# Altium PCB PCB2.PcbDoc (continued)
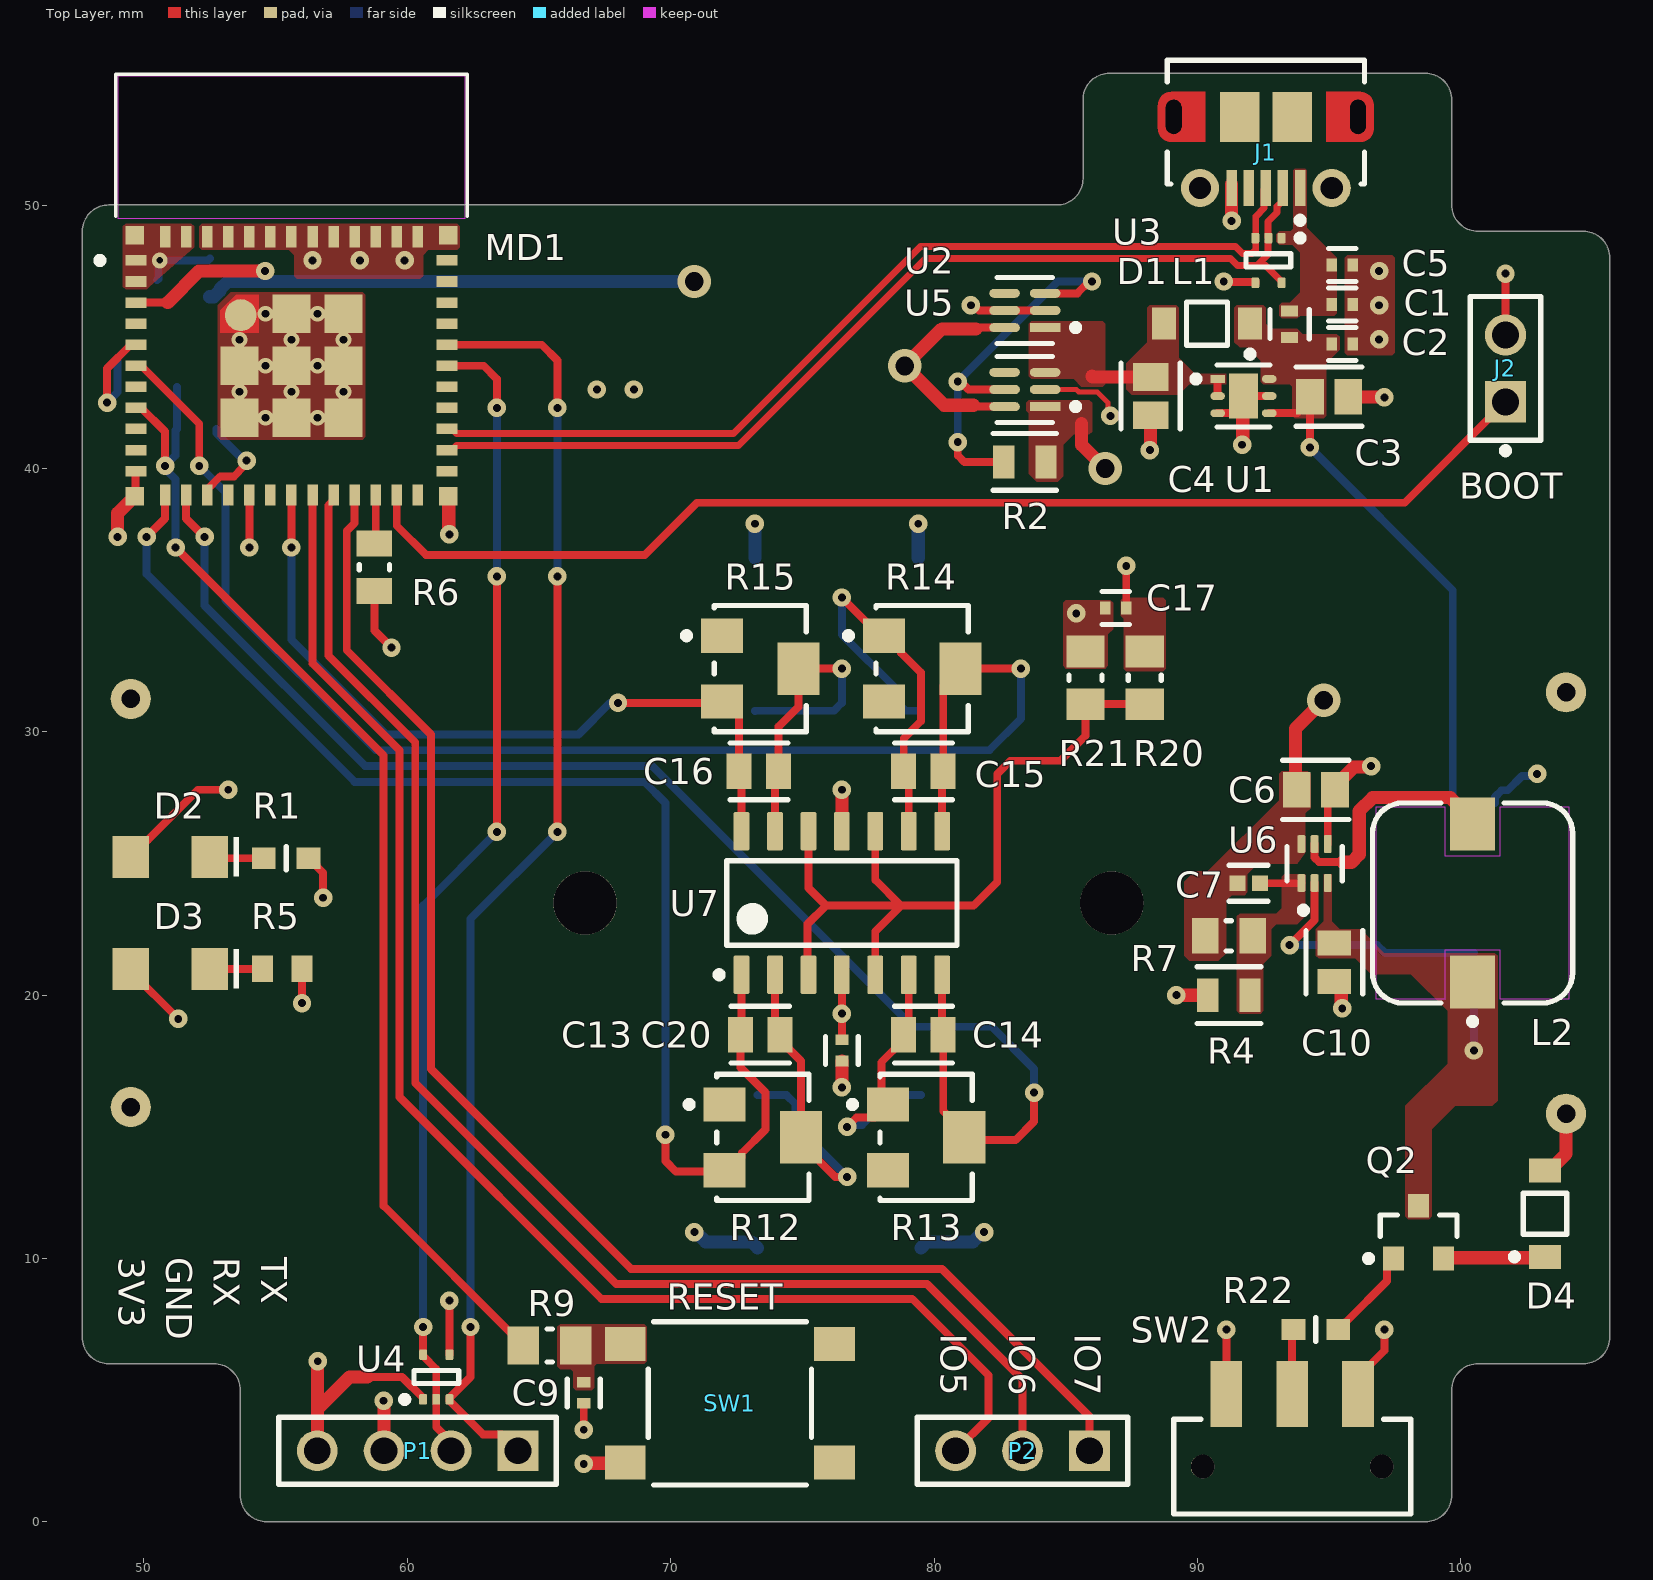
[diagram p0: Top Layer view]
## Part data (continued)
R1 R22: library part CMP-1659-00039-2, Case Code (Imperial)=0603, Case Code (Metric)=1608, Max Operating Temperature=155°C, Max Power Dissipation=100mW, Min Operating Temperature=-55°C, Resistance=47Ω, Temperature Coefficient=100ppm/°C, Tolerance=1%, Voltage Rating=75V, Voltage Rating (AC)=50V, Case/Package=0603, Composition="Thick Film", Depth=800µm, Features="Moisture Resistant", Height=450µm, Lead Free="Lead Free", Length=1.6mm, Military Standard=Not, Mount="Surface Mount", NexarPartId=40952917, Number of Pins=2, Number of Terminations=2, Packaging="Tape & Reel", Power Rating=100mW, REACH SVHC="No SVHC", RoHS=Compliant, Schedule B="8533210045, 8533210045", Termination=SMD/SMT, Voltage Rating (DC)=50V, Weight=2.012816mg, Width=800µm
R2 R3 R4 R8: library part CMP-2100-03668-5, "RES 100K OHM 1% 1/8W 0805", Case Code (Imperial)=0805, Case Code (Metric)=2012, Max Operating Temperature=155°C, Max Power Dissipation=125mW, Min Operating Temperature=-55°C, Package Quantity=1, Resistance=100kR, Resistance Tolerance=1%, Resistor Type="Thick Film", Temperature Coefficient=100ppm/°C, Voltage Rating=150V, Case/Package=0805, Construction=Rectangular, Depth=1.25mm, Features="Moisture Resistant", Height=0.024inch, Lead Free="Lead Free", Lead Pitch=0.4mm, Length=0.079inch, Military Standard=Not, Number of Pins=2, Number of Terminations=2, Packaging="Tape and Reel", Power Rating=125mW, RoHS Compliant=Yes, Series=RC, Size Code=0805, Technology="THICK FILM", Termination=SMD/SMT, Tolerance=1%, Voltage Rating (DC)=150V, Width=0.049inch
R5: library part CMP-1659-00057-1, "Chip Resistor, 150 Ohm, +/- 1%, 0.1 W, -55 to 155 degC, 0603 (1608 Metric), RoHS, Tape and Reel", Case\Package=Radial, Colour=Green, Forward Voltage="2.2 V", Package Quantity=1000, ComponentLink1Description="Manufacturer URL", ComponentLink1URL=http://www.yageo.com/, ComponentLink2Description=Datasheet, ComponentLink2URL=http://www.yageo.com/documents/recent/PYu-RC_Group_51_RoHS_L_04.pdf, DatasheetVersion="Rev. 4, 02/2016", Height="8.6 mm", Illumination Colour=Green, Lens Style=Clear, Luminous Intensity="200 mcd", Mount="Through Hole", Nominal Vf="2.2 V", PackageDescription="2-Pin Surface Mount Device, Body 1.6 x 0.8 mm", PackageReference=0603, Packaging=Bulk, RoHSCompliant=true, Viewing Angle="20 degrees"
R6 R10 R11: library part CMP-1659-00013-4, "Chip Resistor, 10 KOhm, +/- 1%, 0.125 W, -55 to 155 degC, 0805 (2012 Metric), RoHS, Tape and Reel", Manufacturer=Yageo, Max Operating Temperature="155 degC", Min Operating Temperature="-55 degC", Package Quantity=5000, Voltage Rating="150 V", ComponentLink1Description="Manufacturer URL", ComponentLink1URL=http://www.yageo.com/, ComponentLink2Description=Datasheet, ComponentLink2URL=http://www.yageo.com/documents/recent/PYu-RC_Group_51_RoHS_L_04.pdf, DatasheetVersion="Rev. 4, 02/2016", Height="0.5 mm", Length="2 mm", Mount="Surface Mount", Mounting Technology="Surface Mount", PackageDescription="2-Pin Surface Mounted Device, Body 2 x 1.25 mm", PackageReference=0805, Packaging="Tape and Reel", Pins=2, REACH SVHC="No SVHC", RoHSCompliant=true
R7: library part CMP-2001-01154-1, Manufacturer=Yageo, Part Number=RC0805FR-07453KL
R9: library part CMP-2100-03673-1, "Chip Resistor, 0 Ohm, Jumper, +/- 5%, 0.125 W, -55 to 155 degC, 0805 (2012 Metric), RoHS, Tape and Reel", Case Code (Imperial)=0805, Case Code (Metric)=2012, Manufacturer=Yageo, Max Operating Temperature=155degC, Min Operating Temperature=-55degC, Package Description="2-Pin Surface Mounted Device, Body 2 x 1.25 mm", Power Rating=125mW, Resistance=0mOhm, Temperature Coefficient=200ppm/degreesC, Tolerance=5%, Voltage Rating=150V, Case/Package=0805, Composition=ThickFilm, Contact Plating=Tin, Datasheet URL=http://www.yageo.com/NewPortal/yageodocoutput?fileName=/pdf/R-Chip/PYu-RC_Group_51_RoHS_L_5.pdf, Datasheet Version="Rev. 5, 10/2016", Depth=1.25mm, Height=0.5mm, Lead Free=LeadFree, Length=2mm, Manufacturer URL=http://www.yageo.com/, Military Standard=Not, Number of Pins=2, Package Reference=0805, Packaging=TapeandReel, Radiation Hardening=No, REACH SVHC=Unknown, RoHSCompliant=true, Termination=SMD/SMT, Voltage Rating (DC)=150V, Width=1.25mm
R12 R13 R14 R15: library part CMP-2000-05578-1, "3214 - 5-Turn Trimpot(R) Trimming Potentiometer, 100 KOhm, +/- 10%, 0.25 W, -65 to 150 degC, RoHS, Tape and Reel", Manufacturer=Bourns, Package Description="3-Pin Surface Mount Device, Body 3.5 x 4.8 mm, Pitch 1.25 mm", Package Reference=3214W, Power Rating=250mW, Resistance Tolerance=±10%, Temperature Coefficient=±100ppm/°C, Track Resistance=100kohm, Datasheet URL=http://www.bourns.com/docs/Product-Datasheets/3214.pdf, Datasheet Version=05/2016, Manufacturer URL=http://www.bourns.com/, Mounting Technology=SurfaceMount, No. of Turns=5, Potentiometer Mounting=SMD, RoHS Compliant=Yes, SVHC=NoSVHC(16-Jun-2014)
R16 R17 R18 R19: library part CMP-2000-06974-2, "RES SMD 0 OHM JUMPER 1W 2512", Case Code (Imperial)=2512, Case Code (Metric)=6432, Max Operating Temperature=155°C, Max Power Dissipation=1W, Min Operating Temperature=-55°C, Package Quantity=4000, Resistance=0mR, Resistance Tolerance=5%, Resistor Type="Thick Film", Temperature Coefficient=200ppm/°C, Voltage Rating=200V, Case/Package=2512, Contact Plating=Tin, Features="Moisture Resistant", Height=0.026inch, Lead Free="Lead Free", Length=0.25inch, Number of Terminations=2, Packaging="Tape and Reel", Power Rating=1W, Radiation Hardening=No, RoHS Compliant=Yes, Series=RC, Size Code=2512, Termination=SMD/SMT, Tolerance=5%, Width=3.1mm
R20: library part CMP-2001-01361-1, Manufacturer=Yageo, Part Number=RC0805JR-072KL
R21: library part CMP-2100-03671-1, "Chip Resistor, 1 KOhm, +/- 1%, 125 mW, -55 to 155 degC, 0805 (2012 Metric), RoHS, Tape and Reel", Case Code (Imperial)=0805, Case Code (Metric)=2012, Manufacturer=Yageo, Max Operating Temperature=155degC, Max Power Dissipation=125mW, Min Operating Temperature=-55degC, Package Description="2-Pin Surface Mounted Device, Body 2 x 1.25 mm", Package Quantity=1, Resistance=1KOhm, Temperature Coefficient=100ppm/degreesC, Tolerance=1%, Voltage Rating=150V, Case/Package=0805, Composition=ThickFilm, Datasheet URL=http://www.yageo.com/NewPortal/yageodocoutput?fileName=/pdf/R-Chip/PYu-RC_Group_51_RoHS_L_5.pdf, Datasheet Version="Rev. 5, 10/2016", Depth=1.25mm, Height=0.024inch, Lead Free=LeadFree, Length=0.079inch, Manufacturer URL=http://www.yageo.com/, Military Standard=Not, Number of Pins=2, Number of Terminations=2, Package Reference=0805, Packaging=TapeandReel, Power Rating=125mW, REACH SVHC=Unknown, RoHSCompliant=true, Termination=SMD/SMT, Voltage Rating (DC)=150V, Width=0.049inch
SW1: library part CMP-1452-00005-4, "Switch Tactile N.O. SPST Round Button Gull Wing 0.05A 12VDC 500000Cycles 2.55N SMD Reel", Color=White, Contact Current Rating=50mA, Contact Resistance=100mΩ, Insulation Resistance=100MΩ, Max Operating Temperature=85°C, Min Operating Temperature=-40°C, Voltage Rating=12V, Contact Plating=Silver, Current Rating=50mA, Diameter=3mm, Height=7mm, Life (Cycles)=200kcycles, Mount="Surface Mount", Packaging="Tape and Reel", RoHS=Compliant, Voltage Rating (DC)=12V
SW2: library part CMP-2000-06501-2, "SWITCH SLIDE SPDT 300MA 6V", Case/Package=100, Contact Current Rating=300mA, Contact Resistance=70mR, Max Operating Temperature=85°C, Max Voltage Rating (DC)=6V, Min Operating Temperature=-40°C, Package Quantity=1, Actuator Length=2mm, Actuator Material=Nylon, Actuator Type=Standard, Contact Material="Copper Alloy", Contact Plating=Silver, Current Rating=300mA, Electrical Life=5000Cycles, Housing Material=Nylon, Illumination Type=Non-Illuminated, Lead Free="Lead Free", Length=9mm, Max Current Rating=300mA, Mount="Surface Mount", Orientation="Right Angle", Packaging="Tape and Reel", Radiation Hardening=No, REACH SVHC="No SVHC", Switch Function=On-On, Switch Travel=2mm, Termination="Gull Wing", Throw Configuration=SPDT, Voltage Rating (DC)=6V
U1: library part CMP-04917-000203-1, "VOLTAGE COMPARATOR"
U2 U5: library part CMP-04910-000059-1, "IC OR CTRLR IDEAL DIODE SC70-6"
U3 U4: library part CMP-0326-00048-3, "Low-Capacitance + / - 15 kV ESD-Protection Array for High-Speed Data Interfaces, 2 Channels, -40 to +85 degC, 5-pin SOT (DRL), Green (RoHS & no Sb/Br)", Breakdown Voltage(Min)(V)=11, IO Capacitance(Typ)(pF)=1.5, IO Leakage Current(nA)=1, Manufacturer="Texas Instruments", ComponentLink1Description="Manufacturer URL", ComponentLink1URL=http://www.ti.com/, ComponentLink2Description=Datasheet, ComponentLink2URL=http://www.ti.com/general/docs/lit/getliterature.tsp?genericPartNumber=TPD2E001&fileType=pdf, ComponentLink3Description="URL Link1", ComponentLink3URL=SamplesURL:http://www.ti.com/product/tpd2e001#samples, DatasheetVersion=SLLS684F, Eco-Plan="Green (RoHS & no Sb/Br)", IEC 61000-4-2 Air-Gap(+/- kV)=15, IEC 61000-4-2 Contact(+/- kV)=8, Mounting Technology="Surface Mount", PackageDescription="5-Pin Plastic Small Outline, Flat Lead 0.5 mm Pitch", PackageReference=DRL0005A, PackageVersion="revD, Aug-2007", PartNumber=TPD2E001DRLR, SubFamily="ESD Solution", USB High Speed=TRUE
U6: library part CMP-04918-000638-1, "FINISH GOODS FOR TPS61023"
U7: library part CMP-0272-00062-3, "Quad Low-Power Rail-to-Rail Input / Output Operational Amplifier, 2.7 to 6 V, -40 to 125 degC, 14-pin SOIC (D14), Green (RoHS & no Sb/Br)", Manufacturer="Texas Instruments", Total Supply Voltage(Max)(+5V is 5, +/-5V is 10)=6, Total Supply Voltage(Min)(+5V is 5, +/-5V is 10)=2.7, CMRR(Min)(dB)=61, Code_JEDEC=MS-012, ComponentLink1Description="Manufacturer URL", ComponentLink1URL=http://www.ti.com/, ComponentLink2Description=Datasheet, ComponentLink2URL=http://www.ti.com/general/docs/lit/getliterature.tsp?genericPartNumber=TLV2474A&fileType=pdf, ComponentLink3Description="Package Specification", ComponentLink3URL=http://www.ti.com/lit/ml/mpds177g/mpds177g.pdf, DatasheetVersion=SLOS232E, Eco-Plan="Green (RoHS & no Sb/Br)", IIB(Max)(pA)=50, Iq per channel(Max)(mA)=0.75, Mounting Technology="Surface Mount", Number of Channels=4, Offset Drift(Typ)(uV/C)=0.4, PackageDescription="14-Pin Plastic Small Outline, Body 8.65 x 3.9 mm, Pitch 1.27 mm", PackageReference=D0014A, PackageVersion="4040047-5/M, 06/2011", PartNumber=TLV2474AID, Slew Rate(Typ)(V/us)=1.4, Sub Family="Low Supply Voltage Amplifier (<=2.7V), Precision Amplifier", Vio (25C)(Max)(mV)=1.6, Vn at 1kHz(Typ)(nV/rtHz)=15

## Free pads (board coordinates)
  round 1.524 hole 0.7: 4(49.5,15.75) 4(49.5,31.25) 4(104,15.5) 4(104,31.5)
  round 2.4 hole 2.4 unplated: M2(66.75,23.5) M2(86.75,23.5)

## Via types
v1: diameter 0.7, hole 0.3, Top Layer to Bottom Layer, 75 vias
v2: diameter 0.6, hole 0.3, Top Layer to Bottom Layer, 12 vias
v3: diameter 1.27, hole 0.711, Top Layer to Bottom Layer, 3 vias
v4: diameter 0.6, hole 0.25, Top Layer to Bottom Layer, 1 vias
v5: diameter 1.27/1.27/1.27/1.27 (per signal layer), hole 0.711, Top Layer to Bottom Layer, 1 vias

## Nets (pads, with @x,y where several pads share a name; then routed paths per layer and width w, separated by ;. In a path a pad name is that pad's centre, name@x,y a point inside that pad or via, vN(x,y) a via of type N, cw(c..) or ccw(c..) an arc to the next point about the centre after c; other vN are vias at no path point)
+3V3: C11.1 C12.1 C17.1 C18.1 C19.1 C20.1 D2.2 MD1.3 P1.4 R6.1 R10.2 R11.1 R20.2 U2.6 U4.1 U5.6 U7.4 | length 180.8
  Top Layer w0.3: D2.2 49.5,25.35 50.05,25.9 50.15,25.9 52.05,27.8 v1(53.2,27.8) ; MD1.3 50.9,46.3 ; 58.491,5.5 59.8,5.5 60.6,4.7 U4.1 ; R6.1 58.75,33.85 v1(59.4,33.2) ; C20.1 v1(76.5,19.3) U7.4 ; 81.5,42.4 81.55,42.35 U5.6 ; 81.6,45.3 81.65,45.35 U2.6 ; C17.1 v1(87.3,36.3)
  Top Layer w0.5: 50.9,46.3 52.1,47.5 v1(54.6,47.5) ; P1.4 56.59,2.71 56.59,4.29 ; v1(56.6,6.1) 56.59,6.09 56.59,4.29 ; 58.491,5.5 57.8,5.5 56.59,4.29 ; 81.5,42.4 80.386,42.4 v5(78.893,43.893) 80.3,45.3 81.6,45.3
  Int2 (PWR) w0.3: v1(53.2,27.8) 59,27.8 64.4,33.2 ; v1(59.4,33.2) 64.4,33.2 ; 71.807,43.893 71.807,40.607 64.4,33.2 ; v1(76.5,19.3) 76.444,19.3 75.8,19.944 75.8,40.8 v5(78.893,43.893) 78.893,40.907 83.5,36.3 v1(87.3,36.3)
  Int2 (PWR) w0.5: v1(56.6,6.1) 58.3,7.8 58.3,24.7 75.35,41.75 75.35,43.893
  Int2 (PWR) w1: v3(70.9,47.1) 70.9,44.8 71.807,43.893 75.35,43.893 v5(78.893,43.893)
  Bottom Layer w0.5: C11.1 52.652,46.523 52.881,46.752 52.881,46.807 53.174,47.1 54.6,47.1 ; v1(54.6,47.5) 54.6,47.1 ; v3(70.9,47.1) 54.6,47.1
+3V3BAT: C6.1 C7.1 R2.1 R7.2 U5.1 U6.6 | length 20.3
  Top Layer w0.5: 85.6,41.7 85.6,40.9 v3(86.5,40) ; C6.1@93.724,27.75 93.724,30.124 v3(94.8,31.2)
  Int2 (PWR) w1: v3(86.5,40) 86.552,39.948 86.552,38.948 87.7,37.8 91.3,37.8 94.8,34.3 v3(94.8,31.2)
+3V3USB: C4.1 D1.2 U1.1 U1.2 U2.1 U5.3 | length 2.9
  Top Layer w0.3: U1.2 U1.1
  Top Layer w0.5: 86,43.5 86.024,43.476 C4.1
BOOT: J2.1 MD1.23 | length 46.1
  Top Layer w0.3: MD1.23 59.6,37.829 60.714,36.714 69.014,36.714 71,38.7 97.87,38.7 J2.1
CH_A: C13.1 MD1.12 R12.3 U7.1 | length 51.2
  Top Layer w0.3: v1(50.1,37.4) 50.8,38.1 MD1.12 ; v1(69.8,14.7) 69.8,13.7 70.2,13.3 72,13.3 R12.3 72.2,13.35 72.7,13.85 72.7,14 73.6,14.9 73.6,16.3 72.65,17.25 C13.1 72.69,18.54 U7.1
  Bottom Layer w0.3: v1(50.1,37.4) 50.1,36 58,28.1 69,28.1 69.8,27.3 v1(69.8,14.7)
CH_B: C14.1 MD1.13 R13.2 U7.7 | length 54.8
  Top Layer w0.3: MD1.13 51.6,38.1 v1(52.3,37.4) ; U7.7 80.31,18.54 C14.1 80.35,15.6 81.15,14.8 R13.2 81.25,14.5 83.1,14.5 83.8,15.2 v1(83.8,16.3)
  Bottom Layer w0.3: v1(52.3,37.4) 52.3,34.8 58.4,28.7 69.3,28.7 79.2,18.8 82.2,18.8 83.8,17.2 v1(83.8,16.3)
CH_C: C15.1 MD1.6 R14.2 U7.8 | length 54.1
  Top Layer w0.3: MD1.6 49.9,43.9 52.1,41.7 v1(52.1,40.1) ; U7.8 80.31,28.46 C15.1 80.35,31.75 R14.2 v1(83.3,32.4)
  Bottom Layer w0.3: v1(52.1,40.1) 53.1,39.1 53.1,35 58.8,29.3 82.1,29.3 83.3,30.5 v1(83.3,32.4)
CH_D: C16.1 MD1.18 R15.3 U7.14 | length 29.2
  Top Layer w0.3: v1(55.6,37) MD1.18 ; v1(68,31.1) 71.9,31.1 R15.3 72.1,31.15 72.6,30.65 C16.1 72.69,28.41 U7.14
  Bottom Layer w0.3: v1(55.6,37) 55.6,33.5 59.2,29.9 66.5,29.9 67.7,31.1 v1(68,31.1)
EN: C8.1 MD1.8 R9.2 R10.1 | length 45
  Top Layer w0.3: MD1.8 49.9,42.3 50.8,41.4 v1(50.8,40.1) ; v1(51.2,37) 59.1,29.1 59.1,12 R9.2
  Bottom Layer w0.3: v1(51.2,37) 51.2,39.592 50.8,39.992 v1(50.8,40.1) 51.2,40.5 51.2,41.45 C8.1 R10.1
GND: C1.2 C2.2 C3.2 C4.2 C5.2 C6.2 C8.2 C9.2 C10.2 C11.2 C12.2 C17.2 C18.2 C19.2 C20.2 J1.5 J2.2 MD1.1 MD1.2 MD1.11 MD1.14 MD1.36 MD1.37 MD1.38 MD1.39 MD1.40 MD1.41 MD1.42 MD1.43 MD1.44 MD1.45 MD1.46 MD1.47 MD1.48 MD1.49 MD1.50 MD1.51 MD1.52 MD1.53 P1.3 pad.4@104,31.5 Q1.3 R1.2 R3.2 R4.2 R5.1 R16.1 R17.1 R18.1 R19.1 R21.2 SW1.A1 SW1.A2 SW2.3 U1.3 U1.5 U1.7 U2.2 U2.5 U3.4 U4.4 U5.2 U6.4 U7.11 | length 60.1
  Top Layer w0.2: U5.2 85.4,43 85.5,42.9 86.2,42.9 86.604,42.496 86.604,42.096 v1(86.7,42)
  Top Layer w0.3: MD1.52 49.675,38.975 49.675,39.875 MD1.11 ; MD1.14 52.4,39.2 52.9,39.7 53.424,39.7 53.6,39.876 53.6,39.892 53.9,40.192 v1(53.9,40.3) ; v1(56,19.7) R5.1 ; R1.2 56.3,25.2 56.55,24.95 56.55,24.9 56.8,24.65 v1(56.8,23.7) ; U4.4 v1(61.6,8.4) ; v1(66.7,3.5) C9.2 ; v1(81.4,46.2) 81.508,46.2 81.708,46 U2.5 U2.2 ; U1.3 91.35,42.1 U1.7@91.725,42.475 ; v1(91,47.1) 91.025,47.075 92.2,47.075 U3.4 ; U1.7 U1.5 ; U6.4 94.95,27.524 C6.2@95.176,27.75 ; SW2.3 96.1,5.5 97.1,6.5 v1(97.1,7.3) ; J2.2 v1(101.7,47.4)
  Top Layer w0.5: v1(49,37.4) 49,38.3 MD1.52 ; v1(59.1,4.6) 59.11,4.59 59.11,2.71 P1.3 ; MD1.51 61.575,38.925 61.575,37.525 v1(61.6,37.5) ; v1(66.7,2.2) 66.725,2.225 68.25,2.225 SW1.A2 ; v1(76.5,16.5) C20.2 ; U7.11 v1(76.5,27.8) ; v1(88.2,40.7) 88.214,40.714 88.214,42.01 C4.2 ; v1(89.2,20) R4.2 ; v1(91.3,49.4) J1.5@91.3,50.8 ; v1(91.7,40.9) 91.725,40.925 91.725,42.475 91.725,42.725 U1.7 ; C6.2@95.176,27.75 95.176,27.901 95.937,28.662 96.562,28.662 v1(96.6,28.7) ; C10.2 95.233,20.523 95.462,20.294 95.462,19.538 v1(95.5,19.5) ; C3.2 95.74,42.714 97.086,42.714 v1(97.1,42.7)
  Bottom Layer w0.3: C12.2 50.55,47.2 50.55,47.85 v4(50.6,47.9) 52.423,47.9 C11.2 ; C8.2 52.75,41.35 53.8,40.3 v1(53.9,40.3) ; R3.2 101.302,27.527 101.556,27.781 101.783,27.781 102.325,28.323 102.823,28.323 v1(102.9,28.4)
  Bottom Layer w0.5: v1(70.9,11) 70.954,11 71.325,10.629 73.071,10.629 R16.1 ; R19.1 v1(73.2,37.9) ; R18.1 v1(79.4,37.9) ; R17.1 79.729,10.627 81.473,10.627 81.846,11 v1(81.9,11)
  other v1: 85.4,34.5 67.2,43 68.6,43 96.9,44.9 96.9,46.2 96.9,47.5 56.4,47.9 58.2,47.9 59.9,47.9
  other v2: 54.612,41.925 56.587,41.925 53.625,42.912 55.6,42.912 57.575,42.912 54.612,43.9 56.587,43.9 53.625,44.888 55.6,44.888 57.575,44.888 54.612,45.875 56.587,45.875
IO2: MD1.5 R11.2 | length 4.5
  Top Layer w0.3: v1(48.6,42.5) 48.6,43.8 49.5,44.7 MD1.5
  Bottom Layer w0.3: v1(48.6,42.5) 49,42.9 R11.2
IO5: MD1.19 P2.3 | length 54.4
  Top Layer w0.3: MD1.19 56.4,32.6 59.7,29.3 59.7,16.137 67.369,8.469 79.169,8.469 82.069,5.569 82.069,3.949 P2.3
IO6: MD1.20 P2.2 | length 54.2
  Top Layer w0.3: MD1.20 57.2,38.8 57,38.6 57,32.9 60.3,29.6 60.3,16.669 67.934,9.034 79.734,9.034 83.36,5.409 P2.2
IO7: MD1.21 P2.1 | length 55
  Top Layer w0.3: MD1.21 58,37.929 57.7,37.629 57.7,33.1 60.9,29.9 60.9,17.2 68.5,9.6 80.3,9.6 85.9,4 P2.1
LED_PWR_K: D2.1 R1.1 | length 2.2
  Top Layer w0.3: D2.1 52.55,25.2 R1.1@54.65,25.2
NetC7_2: C7.2 R4.1 R7.1 U6.1 | length 1.6
  Top Layer w0.3: C7.2 93.95,24.25 U6.1
NetC9_1: C9.1 R9.1 SW1.B1 SW1.B2
NetC10_1: C10.1 L2.1 Q2.3 R8.1 U6.3 | length 2.1
  Bottom Layer w0.3: v1(100.5,17.9) R8.1
NetD3_1: D3.1 R5.2 | length 2
  Top Layer w0.3: D3.1 R5.2
NetD3_2: D3.2 MD1.16 | length 23.7
  Top Layer w0.3: D3.2 49.5,20.9 v1(51.3,19.1) ; v1(54,37) MD1.16
  Int2 (PWR) w0.3: v1(51.3,19.1) 51.3,29.5 54,32.2 v1(54,37)
NetD4_1: D4.1 Q2.2 | length 3.9
  Top Layer w0.5: Q2.2 99.382,10.032 103.168,10.032 D4.1
NetL2_2: L2.2 U6.5 | length 9.1
  Top Layer w0.3: U6.5 94.45,25.226 94.626,25.05 95.525,25.05
  Top Layer w0.5: 95.525,25.05 95.857,25.05 96.15,25.343 96.15,26.995 96.655,27.5 99.6,27.5 100.45,26.65 L2.2
NetMD1_22: MD1.22 R6.2 | length 1.9
  Top Layer w0.3: R6.2 58.8,37.2 MD1.22
NetQ1_2: Q1.2 R8.2 U6.2 | length 9.9
  Top Layer w0.3: v1(93.5,21.9) 94.45,22.85 U6.2
  Bottom Layer w0.3: v1(93.5,21.9) 96.829,21.9 97.129,21.6 R8.2
NetQ2_1: Q2.1 R22.2 | length 3.6
  Top Layer w0.3: R22.2 95.4,7.3 95.65,7.55 95.65,7.6 97.2,9.15 97.2,9.75 Q2.1
NetR2_2: R2.2 U2.3 U5.5 | length 15.2
  Top Layer w0.3: v1(80.9,41) 80.9,40.5 81.15,40.25 R2.2 ; v1(80.9,43.3) 81.008,43.3 81.308,43 U5.5 ; U2.3 85.442,46.65 85.892,47.1 v1(86,47.1)
  Bottom Layer w0.3: v1(80.9,41) v1(80.9,43.3) 84.7,47.1 v1(86,47.1)
NetR22_1: R22.1 SW2.2 | length 2.5
  Top Layer w0.3: SW2.2 93.6,7.25 R22.1
SENSORA+: C13.2 R12.2 R16.2 U7.2 | length 14.2
  Top Layer w0.3: U7.2 73.96,18.69 C13.2 74.15,18.3 74.95,17.5 R12.2 74.95,14.4 76.25,13.1 v1(76.7,13.1)
  Bottom Layer w0.3: R16.2 74.4,16.204 74.729,15.875 74.729,15.071 v1(76.7,13.1)
SENSORB+: C14.2 R13.1 R17.2 U7.6 | length 10.7
  Top Layer w0.3: v1(76.7,15) 77.05,15.35 77.75,15.35 R13.1 78,16.1 78,17.45 78.85,18.3 C14.2 79.04,18.69 U7.6
  Bottom Layer w0.3: v1(76.7,15) 76.777,15.077 77.275,15.077 78.4,16.202 R17.2
SENSORC+: C15.2 R14.1 R18.2 U7.9 | length 16.4
  Top Layer w0.3: v1(76.5,35.1) 77.95,33.65 R14.1 78.25,33.65 78.75,33.15 78.75,33 79.5,32.25 79.5,30.4 78.85,29.75 C15.2 79.04,28.31 U7.9
  Bottom Layer w0.3: v1(76.5,35.1) 76.5,33.7 78.6,31.6 78.6,31.129 78.929,30.8 R18.2
SENSORD+: C16.2 R15.2 R19.2 U7.13 | length 12.9
  Top Layer w0.3: U7.13 73.96,28.36 C16.2 74.1,30.2 74.85,30.95 R15.2 v1(76.5,32.4)
  Bottom Layer w0.3: R19.2 73.202,30.8 76.2,30.8 76.5,31.1 v1(76.5,32.4)
UART0_RX: MD1.30 P1.2 U4.2 U4.5 | length 44.4
  Top Layer w0.3: v1(60.6,7.4) U4.5 60.6,6.3 61.1,5.8 U4.2 61.1,3.598 61.66,3.038 P1.2 ; MD1.30 62.9,43.9 63.4,43.4 v1(63.4,42.3) ; v1(63.4,26.2) v1(63.4,35.9)
  Bottom Layer w0.3: v1(60.6,7.4) 60.6,23.4 v1(63.4,26.2) ; v1(63.4,35.9) v1(63.4,42.3)
UART0_TX: MD1.31 P1.1 U4.3 | length 49
  Top Layer w0.3: MD1.31 65.1,44.7 65.7,44.1 v1(65.7,42.3) ; v1(62.4,7.4) 62.4,5.5 61.6,4.7 U4.3 61.6,4.6 62.875,3.325 63.575,3.325 P1.1 ; v1(65.7,26.2) v1(65.7,35.9)
  Bottom Layer w0.3: v1(62.4,7.4) 62.4,22.9 v1(65.7,26.2) ; v1(65.7,35.9) v1(65.7,42.3)
USB_D_N: J1.2 MD1.26 U3.2 U3.5 | length 38.5
  Top Layer w0.26: MD1.26 61.7,40.7 61.868,40.868 72.572,40.868 79.676,47.972 91.256,47.972 91.525,47.704 92.258,47.704 ; U3.5 93.2,47.1 92.596,47.704 92.258,47.704 ; J1.2 93.25,50.175 93.03,49.955 93.03,49.726 92.682,49.378 92.682,48.768 U3.2 92.7,48.66 92.682,48.642 92.682,48.128 92.258,47.704
USB_D_P: J1.3 MD1.27 U3.3 | length 36.4
  Top Layer w0.26: MD1.27 61.7,41.5 61.868,41.332 72.38,41.332 79.484,48.436 91.448,48.436 91.717,48.168 92.066,48.168 92.218,48.32 92.218,48.732 U3.3 92.2,48.84 92.218,48.858 92.218,49.57 92.534,49.886 92.534,50.584 J1.3
VBAT: D4.2 pad.4@104,15.5 SW2.1 | length 24.5
  Top Layer w0.3: SW2.1 v1(91.1,7.3)
  Top Layer w0.5: D4.2 103.355,13.335 104,13.98 pad.4@104,15.5
  Int2 (PWR) w0.3: v1(91.1,7.3) 91.1,12.7 93.9,15.5 pad.4@104,15.5
VBUS: C1.1 C5.1 J1.1 L1.1 U3.1
VBUS_FILT: C2.1 C3.1 D1.1 L1.2 Q1.1 R3.1 U1.4 U1.6 | length 19.4
  Top Layer w0.3: U1.4 93.797,42.1 C3.1@94.274,42.577 ; v1(94.274,40.8) C3.1@94.274,42.577 ; C3.1 C3.1@94.274,42.577
  Bottom Layer w0.3: v1(94.274,40.8) 99.698,35.376 R3.1
VGND: R20.1 R21.1 U7.3 U7.5 U7.10 U7.12 | length 30.7
  Top Layer w0.3: U7.3 75.2,20.805 75.2,22.7 75.9,23.4 ; U7.12 75.23,24.07 75.801,23.499 75.9,23.4 ; U7.5 77.77,22.42 78.75,23.4 ; U7.10 77.77,24.38 78.75,23.4 ; R20.1 R21.1 85.75,29.85 84.8,28.9 82.9,28.9 82.4,28.4 82.4,24.3 81.5,23.4 78.75,23.4 ; 75.9,23.4 78.75,23.4
VMID: pad.4@49.5,15.75 pad.4@49.5,31.25 | length 15.5
  Int2 (PWR) w1: pad.4@49.5,15.75 pad.4@49.5,31.25
pads on no net: J1.4 J1.6 J1.7 J1.8 J1.9 J1.10 J1.11 MD1.4 MD1.7 MD1.9 MD1.10 MD1.15 MD1.17 MD1.24 MD1.25 MD1.28 MD1.29 MD1.32 MD1.33 MD1.34 MD1.35 R12.1 R13.3 R14.3 R15.1 SW2. U2.4 U5.4

## Polygon pours and split planes (outlines as drawn)
VBUS on Top Layer "VBUS_L01_P046" (solid, pour order 46): 93.65,51.325 93.7,51.375 94.1,51.375 94.15,51.325 94.15,49.15 95.3,48 95.3,45.9 95.2,45.8 93.9,45.8 93.8,45.7 93.2,45.7 93.1,45.8 93.1,46.2 93.2,46.3 93.5,46.3 93.9,46.7 93.9,48.2 93.6,48.5 93.1,48.5 93,48.6 93,48.9 93.1,49 93.55,49 93.65,49.1
NetC10_1 on Top Layer "NETC10_1_L01_P045" (solid, pour order 45): 98.9,14.9 99.8,15.8 101.2,15.8 101.4,16 101.4,19.4 99.5,19.4 99.5,17.4 97.9,15.8 97.9,11.6 98,11.5 98.8,11.5 98.9,11.6
NetC10_1 on Top Layer "NETC10_1_L01_P042" (solid, pour order 42): 94.8,24.6 95.1,24.6 95.1,22.8 95.4,22.5 96.2,22.5 97.1,21.6 101.3,21.6 101.4,21.5 101.4,19.4 99.5,19.4 98.1,20.8 96.6,20.8 96,21.4 94.6,21.4 94.5,21.5 94.5,22.5 94.8,22.8
NetC7_2 on Top Layer "NETC7_2_L01_P015" (solid, pour order 15): 94.1,24.6 93.3,24.6 93.2,24.5 93.2,23.3 93,23.1 91.6,23.1 91.5,23 91.5,19.4 91.6,19.3 92.4,19.3 92.5,19.4 92.5,21.2 92.8,21.5 92.8,22.5 93,22.7 93.8,22.7 94.1,23
+3V3BAT on Top Layer "+3V3BAT_L01_P012" (solid, pour order 12): 94.1,25.4 94.1,26.9 94.3,27.1 94.3,28.4 94.2,28.5 93.2,28.5 93.1,28.4 93.1,27.4 90.4,24.7 89.9,24.7 89.5,24.3 89.5,21.5 89.7,21.3 90.8,21.3 91.1,21.6 91.1,23.6 91.3,23.8 91.8,23.8 91.9,23.9 91.9,24.6 92.3,25 93.8,25
GND on Top Layer "GND_L01_P030" (solid, pour order 30): 58.4,41.2 58.3,41.1 52.9,41.1 52.8,41.2 52.8,46.2 53.3,46.7 58.3,46.7 58.4,46.6
GND on Top Layer "GND_L01_P028" (solid, pour order 28): 86.5,32.4 85,32.4 84.9,32.5 84.9,34.9 85,35 86.7,35 86.8,34.9 86.8,33.9 86.6,33.7 86.6,32.5
GND on Top Layer "GND_L01_P027" (solid, pour order 27): 95.6,48 95.7,48.1 97.4,48.1 97.5,48 97.5,44.4 97.4,44.3 95.7,44.3 95.6,44.4
GND on Top Layer "gg" (solid, pour order 25): 55.5,48.3 55.7,48.1 55.7,47.3 55.8,47.2 60.5,47.2 60.6,47.3 60.6,48.1 60.8,48.3 61.9,48.3 62,48.4 62,49.2 61.9,49.3 52.2,49.3 52.1,49.2 52.1,48.4 52.2,48.3
GND on Top Layer "GND_L01_P024" (solid, pour order 24): 50.2,46.9 50.1,46.8 49.3,46.8 49.2,46.9 49.2,49.2 49.3,49.3 51.8,49.3 51.9,49.2 51.9,48.4
+3V3 on Top Layer "+3V3_L01_P021" (solid, pour order 21): 87.2,34.3 87.1,34.4 87.1,35 87.2,35.1 88.7,35.1 88.8,35 88.8,32.4 88.7,32.3 87.3,32.3 87.2,32.4
NetC9_1 on Top Layer "NETC9_1_L01_P020" (solid, pour order 20): 69.1,6.1 69,6 67.2,6 67.1,5.9 67.1,5.1 67,5 66.4,5 66.3,5.1 66.3,5.7 66.2,5.8 65.8,5.8 65.7,5.9 65.7,7.4 65.8,7.5 69,7.5 69.1,7.4
+3V3BAT on Top Layer "+3V3BAT_L01_P018" (solid, pour order 18): 83.6,42.6 83.5,42.5 83.5,42.2 83.6,42.1 83.6,39.8 83.9,39.5 84.7,39.5 84.9,39.7 84.9,40.9 85.3,41.3 85.9,41.3 86,41.4 86,42.5 85.9,42.6
+3V3USB on Top Layer "+3V3USB_L01_P017" (solid, pour order 17): 83.7,45.6 83.6,45.5 83.6,43.5 83.7,43.4 85.3,43.4 85.6,43.1 86.4,43.1 86.5,43.2 86.5,45.5 86.4,45.6
VBUS_FILT on Top Layer "VBUS_FILT_L01_P011" (solid, pour order 11): 91.4,46.1 91.5,46.2 92.5,46.2 92.6,46.1 92.6,45.5 92.8,45.3 93.8,45.3 94,45.1 95.3,45.1 95.4,45 95.4,44.5 94.9,44 94.9,42 94.8,41.9 93.7,41.9 93.6,42 93.6,43.1 93.5,43.2 92.5,43.2 92.4,43.3 92.4,44.1 91.9,44.6 91.6,44.6 91.4,44.8
+3V3USB on Top Layer "+3V3USB_L01_P010" (solid, pour order 10): 89.3,46.1 89.2,46.2 88.2,46.2 88.1,46.1 88.1,44.8 87.3,44 87.3,43 87.5,42.8 89.3,42.8 89.7,43.2 91.1,43.2 91.1,43.6 89.9,43.6 89.3,44.2
GND on Bottom Layer "GND_L04_P033" (solid, pour order 33): 102,24.7 101.9,24.6 101,24.6 100.9,24.7 100.9,26.5 100.8,26.6 100.8,27.9 100.9,28 101.7,28 101.8,27.9 101.8,26.3 101.9,26.2 102,26.1
VBUS_FILT on Bottom Layer "VBUS_FILT_L04_P032" (solid, pour order 32): 100.1,24.7 100,24.6 99.1,24.6 99,24.7 99,26.1 99.2,26.3 99.2,27.9 99.3,28 100.1,28 100.2,27.9 100.2,26.2 100.1,26.1
NetQ1_2 on Bottom Layer "NETQ1_2_L04_P031" (solid, pour order 31): 99.9,23.9 100,24 101,24 101.1,23.9 101.1,22.1 101.2,22 101.2,21.2 101.1,21.1 99.9,21.1 99.8,21.2 99.8,22 99.9,22.1
GND on Bottom Layer "GND_L04_P036" (solid, pour order 36): 63.4,45.3 63.5,45.4 69.7,45.4 69.8,45.3 69.8,43.8 69.7,43.7 69.3,43.7 69.2,43.6 69.2,42.5 69.1,42.4 66.7,42.4 66.6,42.5 66.6,43.6 66.5,43.7 63.5,43.7 63.4,43.8
+3V3 on Bottom Layer "+3V3_L04_P019" (solid, pour order 19): 48.3,45.3 48.2,45.4 48.2,46.4 48.3,46.5 50,46.5 50.1,46.6 51.2,46.6 51.7,47.1 53.2,47.1 53.3,47 53.3,46.1 53.1,45.9 52.2,45.9 52.1,45.8 52.1,44.4 51.9,44.2 50.7,44.2 50.4,44.5 50.4,45.1 50.2,45.3
GND on Int1 (GND) "GND_L02_P022" (solid, pour order 22): 48.5,48.6 cw(c49.1,48.6) 49.1,49.2 85,49.2 ccw(c85,50.8) 86.6,50.8 86.6,53 cw(c87.8,53) 87.8,54.2 97.8,54.2 cw(c97.8,53.2) 98.8,53.2 98.8,50.1 ccw(c100.8,50.1) 100.8,48.1 103.6,48.1 cw(c103.657,46.959) 104.798,47.016 104.798,7.866 cw(c103.816,7.882) 103.8,6.9 100.4,6.9 ccw(c100.452,5.058) 98.611,5.006 98.611,2.389 cw(c97.1,2.389) 97.1,0.879 55.879,0.879 cw(c55.879,2.1) 54.658,2.1 54.658,5.349 ccw(c53,5.349) 53,7.006 49.5,7.006 cw(c49.547,8.053) 48.5,8.1

## Silkscreen, mask and mechanical layers (free items; w line width, h text height)
Top Overlay:
  text "BOOT" at 99.95,38.85 h1
  text "3V3" at 49.05,10.05 h1 r270
  text "GND" at 50.85,10.05 h1 r270
  text "RX" at 52.65,10.05 h1 r270
  text "TX" at 54.45,10.05 h1 r270
  text "RESET" at 69.85,8.05 h1
  text "IO5" at 80.25,7.15 h1 r270
  text "IO6" at 82.85,7.15 h1 r270
  text "IO7" at 85.35,7.15 h1 r270
Mechanical 1:
  circle w0.013: c66.658,23.508 r1.2
  circle w0.013: c86.658,23.508 r1.2
  circle w0.013: c49.458,31.26 r0.4
  circle w0.013: c103.858,15.506 r0.4
  circle w0.013: c103.858,31.51 r0.4
  circle w0.013: c49.458,15.506 r0.4
  lines w0.013: 47.658,7.006 ccw(c48.658,7.006) 48.658,6.006 52.658,6.006 cw(c52.658,5.006) 53.658,5.006 53.658,1.006 ccw(c54.658,1.006) 54.658,0.006 98.658,0.006 ccw(c98.658,1.006) 99.658,1.006 99.658,5.006 cw(c100.658,5.006) 100.658,6.006 104.658,6.006 ccw(c104.658,7.006) 105.658,7.006 105.658,48.006 ccw(c104.658,48.006) 104.658,49.006 100.658,49.006 cw(c100.658,50.006) 99.658,50.006 99.658,54.006 ccw(c98.658,54.006) 98.658,55.006 86.658,55.006 ccw(c86.658,54.006) 85.658,54.006 85.658,51.006 cw(c84.658,51.006) 84.658,50.006 48.658,50.006 ccw(c48.658,49.006) 47.658,49.006 47.658,7.006

## Text inside footprints (layer, text, board x,y; h text height)
J1: Mechanical 1 "PCB EDGE" at 99.8,54.9 h0.3 r180